# KiCad board AICORS_PCB.kicad_pcb (continued)
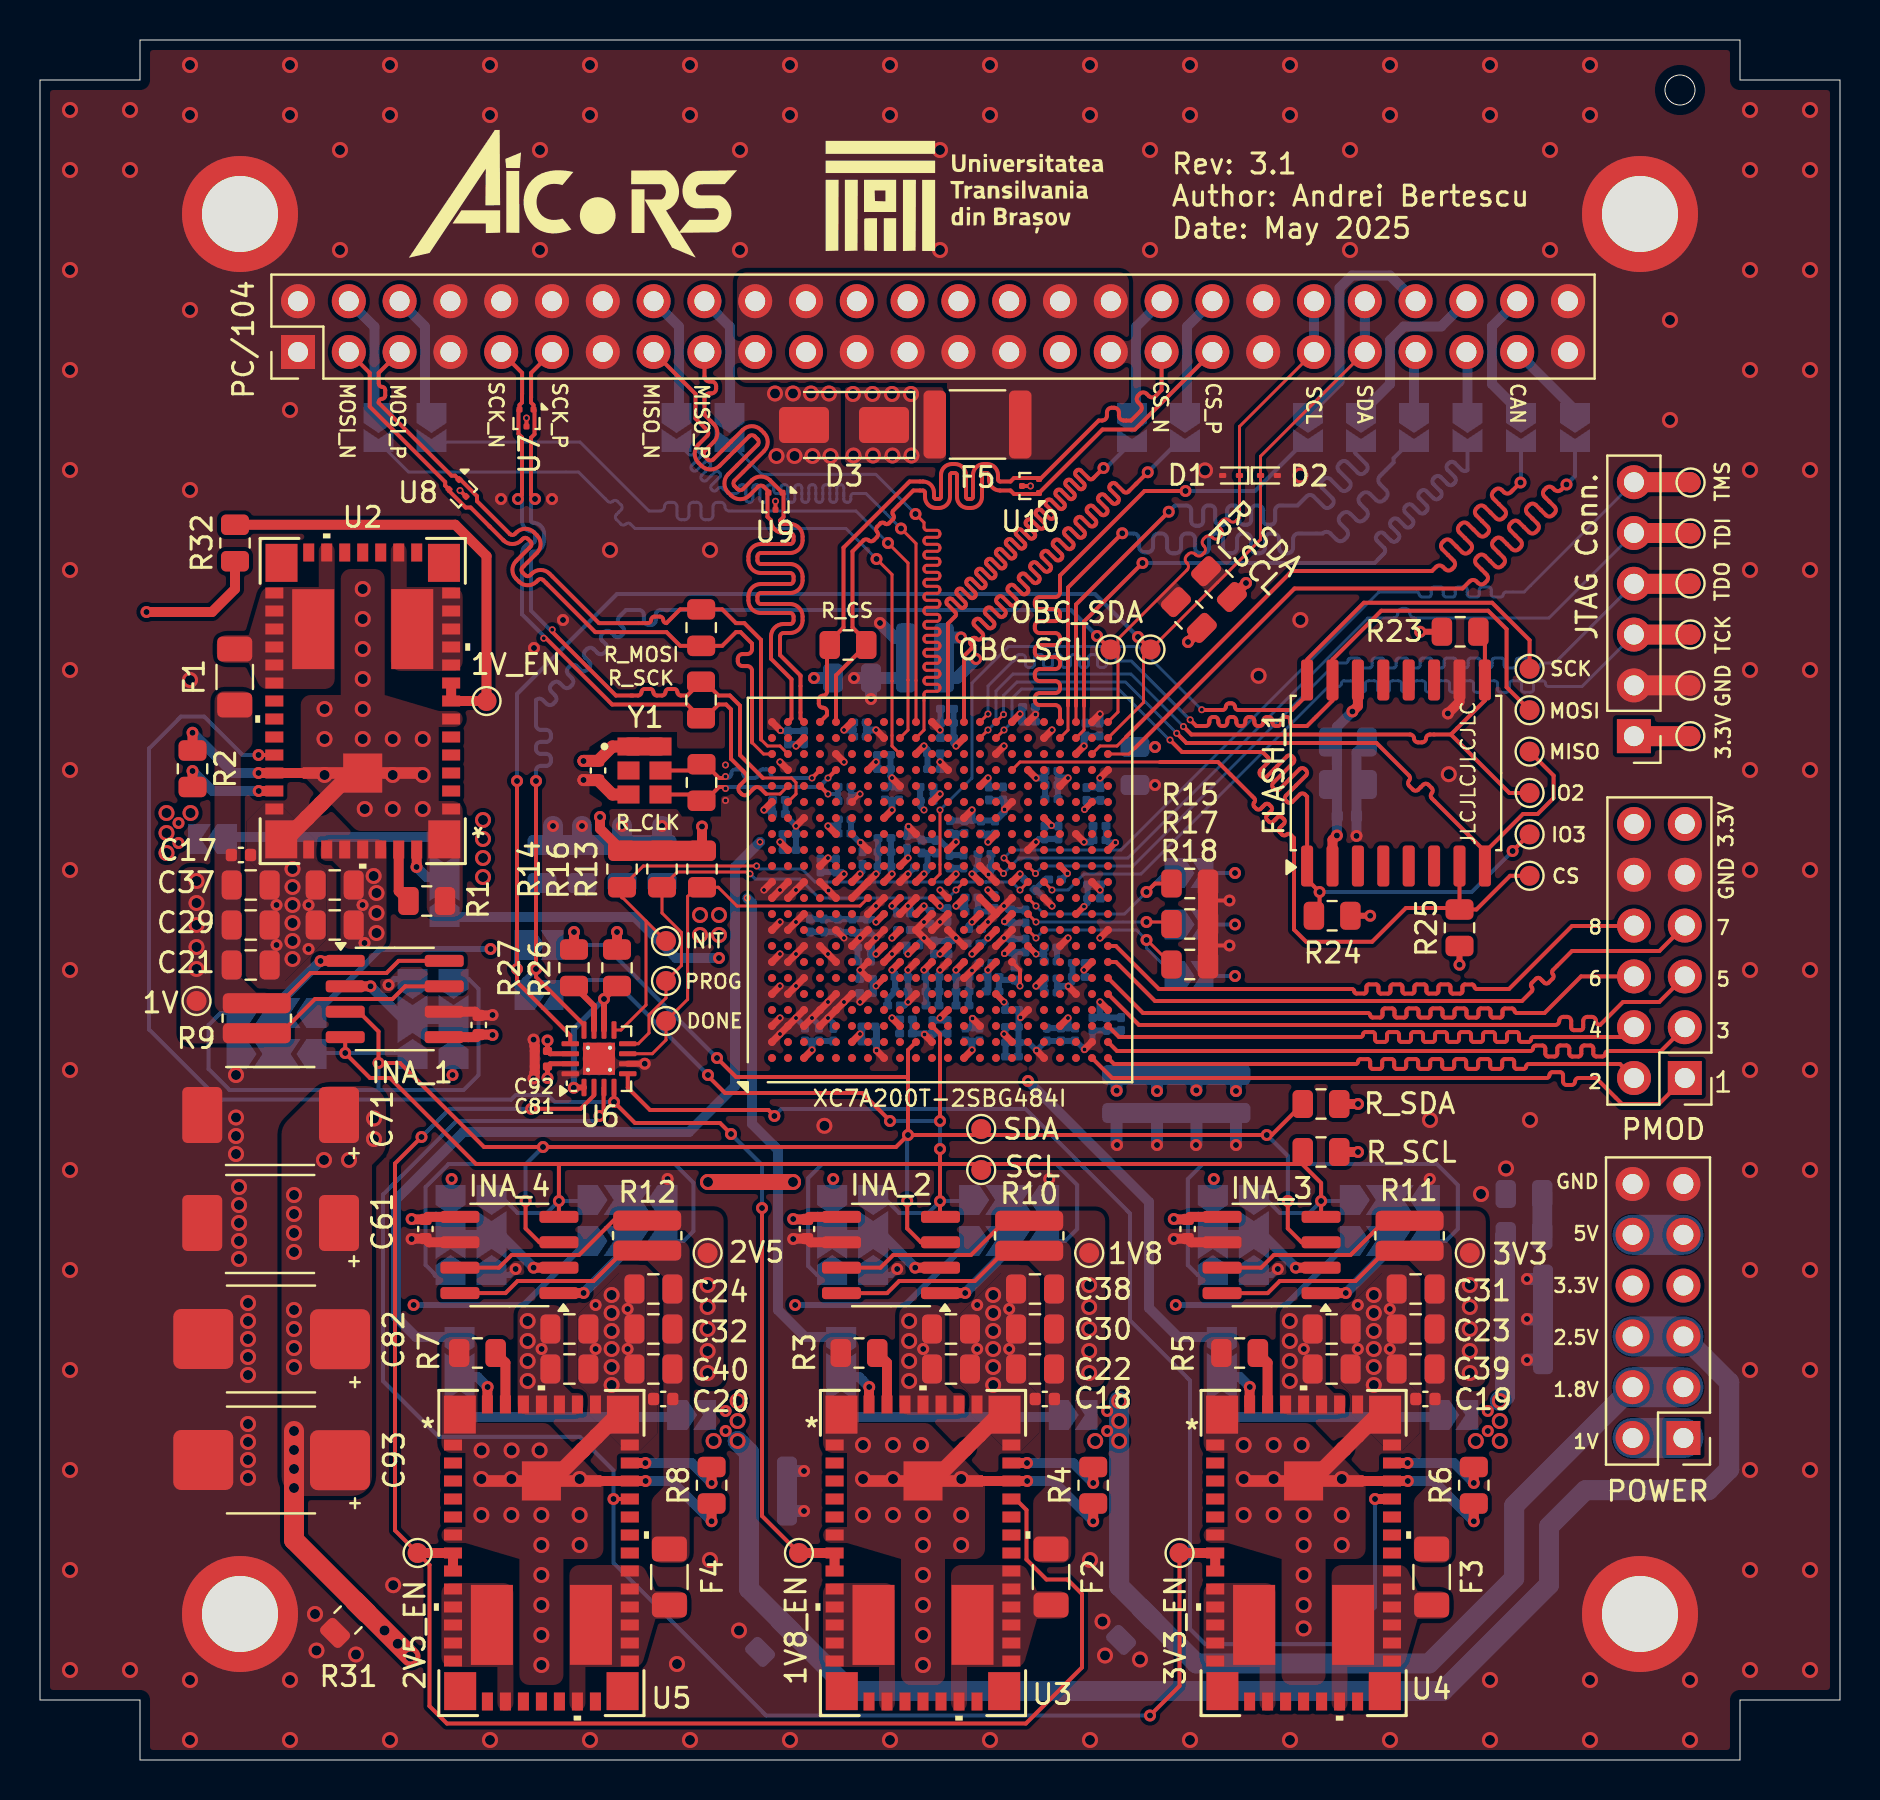
[diagram p0: board, top side]
## Library data of the parts
A0_1-A0_4 A1_1-A1_4 = -: Description: Rotary switch 1x4, SP4T with mount point; LCSC Part #: -
C1-C8 C21-C44 C49 C53 C62-C67 C72-C77 C163 C173 C183 C193 = -: Description: GRM21BR61A476ME15L; LCSC Part #: C124129; ki_fp_filters: C_*
C9-C16 C50 = -: Description: GRM21BR61A226ME51L; LCSC Part #: C77074; ki_fp_filters: C_*
C17-C20 C45-C48 C51 C52 = -: Description: GRM155R71C104KA88D; LCSC Part #: C71629; ki_fp_filters: C_*
C54 C55 C70 C80 C91 C102 C110 C112 C120 C122 C130 C132 C141 C142 C145-C152 C155-C162 C165-C172 C175-C182 C185-C192 C195-C202 = -: Description: GRM033R60J474ME90D; LCSC Part #: C88915; ki_fp_filters: C_*
C56 C58 C60 C68 C69 C78 C79 C81 C83-C90 C92 C94-C101 C103-C109 C111 C113-C119 C121 C123-C129 C131 C133-C140 C143 C144 C153 C154 C164 C174 C184 C194 = -: Description: GRM033R60J475ME05D; LCSC Part #: C3863497; ki_fp_filters: C_*
C61 C71 = -: Description: 20TQC100MYF; LCSC Part #: C139578; ki_fp_filters: CP_*
C82 C93 = -: Description: 6TPE680MI; LCSC Part #: C79115; ki_fp_filters: CP_*
D1 D2 = -: Datasheet: https://www.onsemi.com/pub/Collateral/ESD9B-D.PDF; Description: ESD protection diode, 3.3Vrwm, SOD-923; LCSC Part #: C96512; ki_fp_filters: D*SOD?923*
D3 = -: Datasheet: https://www.littelfuse.com/media?resourcetype=datasheets&itemid=75e32973-b177-4ee3-a0ff-cedaf1abdb93&filename=smaj-datasheet; Description: 400W unidirectional Transient Voltage Suppressor, 5.0Vr, SMA(DO-214AC); LCSC Part #: C83329; ki_fp_filters: D*SMA*
F1-F4 = -: Description: 0466003.NRHF; LCSC Part #: C14165; ki_fp_filters: *Fuse*
F5 = -: Description: Resettable fuse, polymeric PTC; LCSC Part #: C210837; ki_fp_filters: *polyfuse* *PTC*
FLASH_1 = -: Description: Flash memory; LCSC Part #: C269283
H1-H4 = -: Description: Mounting Hole with connection; LCSC Part #: -; ki_fp_filters: MountingHole*Pad*
INA_1-INA_4 = -: Datasheet: http://www.ti.com/lit/ds/symlink/ina219.pdf; Description: Zero-Drift, HighAccuracy, Bidirectional Current/Power Monitor (0-26V) With I2C Interface, SOIC-8; LCSC Part #: C2155799; ki_fp_filters: SOIC*3.9x4.9mm*P1.27mm*
J1 = -: Description: PC/104; LCSC Part #: C7466599; ki_fp_filters: Connector*:*_2x??_*
J2 = -: Description: JTAG Conn.; LCSC Part #: C3328125; ki_fp_filters: Connector*:*_1x??_*
J3 = -: Description: PMOD; LCSC Part #: -; ki_fp_filters: Connector*:*_2x??_*
J4 = -: Description: POWER; LCSC Part #: -; ki_fp_filters: Connector*:*_2x??_*
JP1-JP4 = -: Description: Solder Jumper, 3-pole, open; LCSC Part #: -; ki_fp_filters: SolderJumper*Open*
JP5-JP25 = -: Description: Solder Jumper, 2-pole, open; LCSC Part #: -; ki_fp_filters: SolderJumper*Open*
NT1-NT8 = -: Description: Net tie, 2 pins; LCSC Part #: -; ki_fp_filters: Net*Tie*
R1 = -: Description: CR0805-FX-5761ELF; LCSC Part #: C204215; ki_fp_filters: R_*
R2 = -: LCSC Part #: -; ki_fp_filters: R_*
R3 = -: Description: RC0805FR-071K13L; LCSC Part #: C273876; ki_fp_filters: R_*
R4 R8 R29 R30 = -: Description: RT0805BRD07324KL; LCSC Part #: C865403; ki_fp_filters: R_*
R5 R13 = -: Description: RC0805FR-07453RL; LCSC Part #: C483161; ki_fp_filters: R_*
R6 = -: Description: CR0805-FX-1583ELF; LCSC Part #: C203773; ki_fp_filters: R_*
R7 = -: Description: RC0805FR-07665RL; LCSC Part #: C273828; ki_fp_filters: R_*
R9-R12 = -: Description: Resistor; LCSC Part #: C21261106; ki_fp_filters: R_*
R14 R16 R23-R25 = -: Description: RC0805FR-074K7L; LCSC Part #: C60816; ki_fp_filters: R_*
R15 R17 R18 R26 R27 = -: Description: RC0805FR-071KL; LCSC Part #: C95781; ki_fp_filters: R_*
R19 R20 = -: Description: RC0805FR-073K3L; LCSC Part #: C114531; PCB_Description: R_SDA; ki_fp_filters: R_*
R21 R22 = -: Description: RC0805FR-073K3L; LCSC Part #: C114531; PCB_Description: R_SCL; ki_fp_filters: R_*
R28 R31 R33 = -: Description: RC0805FR-0710KL; LCSC Part #: C84376; ki_fp_filters: R_*
R32 = -: Description: RC0805FR-073K3L; LCSC Part #: C114531; ki_fp_filters: R_*
R34 = -: Description: RC0805FR-07100RL; LCSC Part #: C105577; PCB_Description: R_SCK; ki_fp_filters: R_*
R35 = -: Description: RC0805FR-07100RL; LCSC Part #: C105577; PCB_Description: R_CLK; ki_fp_filters: R_*
R36 = -: Description: RC0805FR-07100RL; LCSC Part #: C105577; PCB_Description: R_MOSI; ki_fp_filters: R_*
R37 = -: Description: RC0805FR-07100RL; LCSC Part #: C105577; PCB_Description: R_CS; ki_fp_filters: R_*
TP1-TP27 = -: Description: test point; LCSC Part #: -; ki_fp_filters: Pin* Test*
U1 = -: Description: Artix 7 T 200 XC7A200T-SBG484; LCSC Part #: C1521826
U2-U5 = -: Description: DC/DC converter; LCSC Part #: C181319; ki_fp_filters: RUQ_47
U6 = -: Datasheet: 8-Bit I2C and SMBus I/O Expander; Description: I2C I/O expander; LCSC Part #: C181499
U7-U10 = -: Datasheet: http://www.ti.com/lit/ds/symlink/tpd2eusb30a.pdf; Description: 2-Channel ESD Protection for Super-Speed USB 3.0 Interface, DRT-3; LCSC Part #: C94934; ki_fp_filters: Texas*DRT*
Y1 = -: Description: 100MHz clock; PARTREV: 02-08-22; STANDARD: Manufacturer Recommendations; MAXIMUM_PACKAGE_HEIGHT: 1.10mm; MANUFACTURER: Abracon; LCSC Part #: C2002827

## Footprints (pads in the part's own frame, mm; a bottom-side part is the same pattern mirrored in y, then rotated)
4_Way_SolderJumper
  custom 1.5x1.5 smd: 1(-2,1.05) 2(2,1.05) 3(-2,-1) 4(2,-1)
  custom 2.4x1.5 smd: 5(0,-1) 5(0,1.05)
52-PinHeader_SlimDensity
  rect 1.7x1.7 hole 1: 1(0,0)
  oval 1.7x1.7 hole 1: 2(2.54,0) 3(0,-2.54) 4(2.54,-2.54) 5(0,-5.08) 6(2.54,-5.08) 7(0,-7.62) 8(2.54,-7.62) 9(0,-10.16) 10(2.54,-10.16) 11(0,-12.7) 12(2.54,-12.7) 13(0,-15.24) 14(2.54,-15.24) 15(0,-17.78) 16(2.54,-17.78) 17(0,-20.32) 18(2.54,-20.32) 19(0,-22.86) 20(2.54,-22.86) 21(0,-25.4) 22(2.54,-25.4) 23(0,-27.94) 24(2.54,-27.94) 25(0,-30.48) 26(2.54,-30.48) 27(0,-33.02) 28(2.54,-33.02) 29(0,-35.56) 30(2.54,-35.56) 31(0,-38.1) 32(2.54,-38.1) 33(0,-40.64) 34(2.54,-40.64) 35(0,-43.18) 36(2.54,-43.18) 37(0,-45.72) 38(2.54,-45.72) 39(0,-48.26) 40(2.54,-48.26) 41(0,-50.8) 42(2.54,-50.8) 43(0,-53.34) 44(2.54,-53.34) 45(0,-55.88) 46(2.54,-55.88) 47(0,-58.42) 48(2.54,-58.42) 49(0,-60.96) 50(2.54,-60.96) 51(0,-63.5) 52(2.54,-63.5)
C_0201_0603Metric
  rrect 0.318x0.36 smd: (-0.345,0) (0.345,0)
  rrect 0.46x0.4 smd: 1(-0.32,0) 2(0.32,0)
C_0402_1005Metric
  rrect 0.56x0.62 smd: 1(-0.48,0) 2(0.48,0)
C_0805_2012Metric
  rrect 1x1.45 smd: 1(-0.95,0) 2(0.95,0)
D_SMA
  rrect 2.5x1.8 smd: 1(-2,0) 2(2,0)
D_SOD-923
  rrect 0.36x0.25 smd: 1(-0.42,0) 2(0.42,0)
Fuse_1206_3216Metric
  rrect 1.25x1.75 smd: 1(-1.4,0) 2(1.4,0)
Fuse_1812_4532Metric
  rrect 1.125x3.4 smd: 1(-2.138,0) 2(2.138,0)
MountingHole_3.8mm_1mmPad
  round 5.8 hole 3.8: 1(0,0)
Net_tie_1mm
  round 0.8 smd: 1(-0.5,0) 2(0.5,0)
NetTie-2_SMD_Pad0.5mm
  round 0.5 smd: 1(-0.5,0) 2(0.5,0)
Panasonic_D2 Tantalum Capacitor
  rrect 2x2.8 smd: 1(-3.45,-0.05) 2(3.388,-0.05)
Panasonic_D4 Tantalum Capacitor
  rrect 3x3 smd: 1(-3.5,0.01) 2(3.337,0)
PinHeader_1x06_P2.54mm_Vertical
  rect 1.7x1.7 hole 1: 1(0,0)
  oval 1.7x1.7 hole 1: 2(0,-2.54) 3(0,-5.08) 4(0,-7.62) 5(0,-10.16) 6(0,-12.7)
PinHeader_2x06_P2.54mm_Vertical
  rect 1.7x1.7 hole 1: 1(0,0)
  oval 1.7x1.7 hole 1: 2(2.54,0) 3(0,-2.54) 4(2.54,-2.54) 5(0,-5.08) 6(2.54,-5.08) 7(0,-7.62) 8(2.54,-7.62) 9(0,-10.16) 10(2.54,-10.16) 11(0,-12.7) 12(2.54,-12.7)
R_0612_1632Metric
  rrect 1x3.4 smd: 1(-0.75,0) 2(0.75,0)
R_0805_2012Metric
  rrect 1.025x1.4 smd: 1(-0.912,0) 2(0.912,0)
SOIC-8_3.9x4.9mm_P1.27mm
  rrect 1.95x0.6 smd: 1(-2.475,1.905) 2(-2.475,0.635) 3(-2.475,-0.635) 4(-2.475,-1.905) 5(2.475,-1.905) 6(2.475,-0.635) 7(2.475,0.635) 8(2.475,1.905)
SOIC-16W_7.5x10.3mm_P1.27mm
  rrect 2.05x0.6 smd: 1(-4.65,4.445) 2(-4.65,3.175) 3(-4.65,1.905) 4(-4.65,0.635) 5(-4.65,-0.635) 6(-4.65,-1.905) 7(-4.65,-3.175) 8(-4.65,-4.445) 9(4.65,-4.445) 10(4.65,-3.175) 11(4.65,-1.905) 12(4.65,-0.635) 13(4.65,0.635) 14(4.65,1.905) 15(4.65,3.175) 16(4.65,4.445)
SolderJumper-2_P1.3mm_Open_TrianglePad1.0x1.5mm
  custom 1.5x1.5 smd: 1(-0.725,0)
  custom 1.15x1.5 smd: 2(0.725,0)
SolderJumper-3_P2.0mm_Open_TrianglePad1.0x1.5mm_NumberLabels
  custom 1.5x1.5 smd: 1(-2,0) 3(2,0)
  custom 2.4x1.5 smd: 2(0,0)
TestPoint_Pad_D1.0mm
  round 1 smd: 1(0,0)
Texas_DRT-3
  rrect 0.3x0.3 smd: 1(-0.35,-0.425) 2(0.35,-0.425) 3(0,0.425)
TPS84320
  rect 1.6x1.9 smd: 1(-4.077,6.92) 15(-4.062,-6.906) 23(4.06,-6.906) 37(4.074,6.92)
  rect 0.9x0.55 smd: 2(-4.42,5.4) 3(-4.42,4.5) 4(-4.42,3.6) 5(-4.42,2.7) 6(-4.42,1.8) 7(-4.42,0.9) 8(-4.42,0) 9(-4.42,-0.9) 10(-4.42,-1.8) 11(-4.42,-2.7) 12(-4.42,-3.6) 13(-4.42,-4.5) 14(-4.42,-5.4) 24(4.42,-5.4) 25(4.42,-4.5) 26(4.42,-3.6) 27(4.42,-2.7) 28(4.42,-1.8) 29(4.42,-0.9) 30(4.42,0) 31(4.42,0.9) 32(4.42,1.8) 33(4.42,2.7) 34(4.42,3.6) 35(4.42,4.5) 36(4.42,5.4)
  rect 0.55x0.9 smd: 16(-2.7,-7.425) 17(-1.8,-7.425) 18(-0.9,-7.425) 19(0,-7.425) 20(0.9,-7.425) 21(1.8,-7.425) 22(2.7,-7.425) 38(2.7,7.425) 39(1.8,7.425) 40(0.9,7.425) 41(0,7.425) 42(-0.9,7.425) 43(-1.8,7.425) 44(-2.7,7.425)
  rect 1.954x1.96 smd: 45(0,3.602)
  rect 6x0.583 smd: 45(0,3.6)
  rect 2.1x4 smd: 46(-2.475,-3.595) 47(2.475,-3.593)
VQFN-16-1EP_3x3mm_P0.5mm_EP1.6x1.6mm_ThermalVias
  rrect 0.69x0.69 smd: (-0.4,0.4) (-0.4,-0.4) (0.4,0.4) (0.4,-0.4)
  rrect 0.875x0.25 smd: 1(-1.438,0.75) 2(-1.438,0.25) 3(-1.438,-0.25) 4(-1.438,-0.75) 9(1.438,-0.75) 10(1.438,-0.25) 11(1.438,0.25) 12(1.438,0.75)
  rrect 0.25x0.875 smd: 5(-0.75,-1.438) 6(-0.25,-1.438) 7(0.25,-1.438) 8(0.75,-1.438) 13(0.75,1.438) 14(0.25,1.438) 15(-0.25,1.438) 16(-0.75,1.438)
  round 0.5 hole 0.2: 17(-0.55,0.55) 17(-0.55,-0.55) 17(0.55,0.55) 17(0.55,-0.55)
  rect 1.6x1.6 smd: 17(0,0)
  rect 1.6x1.6 smd far side: 17(0,0)
Xilinx_SBG484
  round 0.4 smd: A1(-8.4,8.4) A2(-7.6,8.4) A3(-6.8,8.4) A4(-6,8.4) A5(-5.2,8.4) A6(-4.4,8.4) A7(-3.6,8.4) A8(-2.8,8.4) A9(-2,8.4) A10(-1.2,8.4) A11(-0.4,8.4) A12(0.4,8.4) A13(1.2,8.4) A14(2,8.4) A15(2.8,8.4) A16(3.6,8.4) A17(4.4,8.4) A18(5.2,8.4) A19(6,8.4) A20(6.8,8.4) A21(7.6,8.4) A22(8.4,8.4) AA1(-8.4,-7.6) AA2(-7.6,-7.6) AA3(-6.8,-7.6) AA4(-6,-7.6) AA5(-5.2,-7.6) AA6(-4.4,-7.6) AA7(-3.6,-7.6) AA8(-2.8,-7.6) AA9(-2,-7.6) AA10(-1.2,-7.6) AA11(-0.4,-7.6) AA12(0.4,-7.6) AA13(1.2,-7.6) AA14(2,-7.6) AA15(2.8,-7.6) AA16(3.6,-7.6) AA17(4.4,-7.6) AA18(5.2,-7.6) AA19(6,-7.6) AA20(6.8,-7.6) AA21(7.6,-7.6) AA22(8.4,-7.6) AB1(-8.4,-8.4) AB2(-7.6,-8.4) AB3(-6.8,-8.4) AB4(-6,-8.4) AB5(-5.2,-8.4) AB6(-4.4,-8.4) AB7(-3.6,-8.4) AB8(-2.8,-8.4) AB9(-2,-8.4) AB10(-1.2,-8.4) AB11(-0.4,-8.4) AB12(0.4,-8.4) AB13(1.2,-8.4) AB14(2,-8.4) AB15(2.8,-8.4) AB16(3.6,-8.4) AB17(4.4,-8.4) AB18(5.2,-8.4) AB19(6,-8.4) AB20(6.8,-8.4) AB21(7.6,-8.4) AB22(8.4,-8.4) B1(-8.4,7.6) B2(-7.6,7.6) B3(-6.8,7.6) B4(-6,7.6) B5(-5.2,7.6) B6(-4.4,7.6) B7(-3.6,7.6) B8(-2.8,7.6) B9(-2,7.6) B10(-1.2,7.6) B11(-0.4,7.6) B12(0.4,7.6) B13(1.2,7.6) B14(2,7.6) B15(2.8,7.6) B16(3.6,7.6) B17(4.4,7.6) B18(5.2,7.6) B19(6,7.6) B20(6.8,7.6) B21(7.6,7.6) B22(8.4,7.6) C1(-8.4,6.8) C2(-7.6,6.8) C3(-6.8,6.8) C4(-6,6.8) C5(-5.2,6.8) C6(-4.4,6.8) C7(-3.6,6.8) C8(-2.8,6.8) C9(-2,6.8) C10(-1.2,6.8) C11(-0.4,6.8) C12(0.4,6.8) C13(1.2,6.8) C14(2,6.8) C15(2.8,6.8) C16(3.6,6.8) C17(4.4,6.8) C18(5.2,6.8) C19(6,6.8) C20(6.8,6.8) C21(7.6,6.8) C22(8.4,6.8) D1(-8.4,6) D2(-7.6,6) D3(-6.8,6) D4(-6,6) D5(-5.2,6) D6(-4.4,6) D7(-3.6,6) D8(-2.8,6) D9(-2,6) D10(-1.2,6) D11(-0.4,6) D12(0.4,6) D13(1.2,6) D14(2,6) D15(2.8,6) D16(3.6,6) D17(4.4,6) D18(5.2,6) D19(6,6) D20(6.8,6) D21(7.6,6) D22(8.4,6) E1(-8.4,5.2) E2(-7.6,5.2) E3(-6.8,5.2) E4(-6,5.2) E5(-5.2,5.2) E6(-4.4,5.2) E7(-3.6,5.2) E8(-2.8,5.2) E9(-2,5.2) E10(-1.2,5.2) E11(-0.4,5.2) E12(0.4,5.2) E13(1.2,5.2) E14(2,5.2) E15(2.8,5.2) E16(3.6,5.2) E17(4.4,5.2) E18(5.2,5.2) E19(6,5.2) E20(6.8,5.2) E21(7.6,5.2) E22(8.4,5.2) F1(-8.4,4.4) F2(-7.6,4.4) F3(-6.8,4.4) F4(-6,4.4) F5(-5.2,4.4) F6(-4.4,4.4) F7(-3.6,4.4) F8(-2.8,4.4) F9(-2,4.4) F10(-1.2,4.4) F11(-0.4,4.4) F12(0.4,4.4) F13(1.2,4.4) F14(2,4.4) F15(2.8,4.4) F16(3.6,4.4) F17(4.4,4.4) F18(5.2,4.4) F19(6,4.4) F20(6.8,4.4) F21(7.6,4.4) F22(8.4,4.4) G1(-8.4,3.6) G2(-7.6,3.6) G3(-6.8,3.6) G4(-6,3.6) G5(-5.2,3.6) G6(-4.4,3.6) G7(-3.6,3.6) G8(-2.8,3.6) G9(-2,3.6) G10(-1.2,3.6) G11(-0.4,3.6) G12(0.4,3.6) G13(1.2,3.6) G14(2,3.6) G15(2.8,3.6) G16(3.6,3.6) G17(4.4,3.6) G18(5.2,3.6) G19(6,3.6) G20(6.8,3.6) G21(7.6,3.6) G22(8.4,3.6) H1(-8.4,2.8) H2(-7.6,2.8) H3(-6.8,2.8) H4(-6,2.8) H5(-5.2,2.8) H6(-4.4,2.8) H7(-3.6,2.8) H8(-2.8,2.8) H9(-2,2.8) H10(-1.2,2.8) H11(-0.4,2.8) H12(0.4,2.8) H13(1.2,2.8) H14(2,2.8) H15(2.8,2.8) H16(3.6,2.8) H17(4.4,2.8) H18(5.2,2.8) H19(6,2.8) H20(6.8,2.8) H21(7.6,2.8) H22(8.4,2.8) J1(-8.4,2) J2(-7.6,2) J3(-6.8,2) J4(-6,2) J5(-5.2,2) J6(-4.4,2) J7(-3.6,2) J8(-2.8,2) J9(-2,2) J10(-1.2,2) J11(-0.4,2) J12(0.4,2) J13(1.2,2) J14(2,2) J15(2.8,2) J16(3.6,2) J17(4.4,2) J18(5.2,2) J19(6,2) J20(6.8,2) J21(7.6,2) J22(8.4,2) K1(-8.4,1.2) K2(-7.6,1.2) K3(-6.8,1.2) K4(-6,1.2) K5(-5.2,1.2) K6(-4.4,1.2) K7(-3.6,1.2) K8(-2.8,1.2) K9(-2,1.2) K10(-1.2,1.2) K11(-0.4,1.2) K12(0.4,1.2) K13(1.2,1.2) K14(2,1.2) K15(2.8,1.2) K16(3.6,1.2) K17(4.4,1.2) K18(5.2,1.2) K19(6,1.2) K20(6.8,1.2) K21(7.6,1.2) K22(8.4,1.2) L1(-8.4,0.4) L2(-7.6,0.4) L3(-6.8,0.4) L4(-6,0.4) L5(-5.2,0.4) L6(-4.4,0.4) L7(-3.6,0.4) L8(-2.8,0.4) L9(-2,0.4) L10(-1.2,0.4) L11(-0.4,0.4) L12(0.4,0.4) L13(1.2,0.4) L14(2,0.4) L15(2.8,0.4) L16(3.6,0.4) L17(4.4,0.4) L18(5.2,0.4) L19(6,0.4) L20(6.8,0.4) L21(7.6,0.4) L22(8.4,0.4) M1(-8.4,-0.4) M2(-7.6,-0.4) M3(-6.8,-0.4) M4(-6,-0.4) M5(-5.2,-0.4) M6(-4.4,-0.4) M7(-3.6,-0.4) M8(-2.8,-0.4) M9(-2,-0.4) M10(-1.2,-0.4) M11(-0.4,-0.4) M12(0.4,-0.4) M13(1.2,-0.4) M14(2,-0.4) M15(2.8,-0.4) M16(3.6,-0.4) M17(4.4,-0.4) M18(5.2,-0.4) M19(6,-0.4) M20(6.8,-0.4) M21(7.6,-0.4) M22(8.4,-0.4) N1(-8.4,-1.2) N2(-7.6,-1.2) N3(-6.8,-1.2) N4(-6,-1.2) N5(-5.2,-1.2) N6(-4.4,-1.2) N7(-3.6,-1.2) N8(-2.8,-1.2) N9(-2,-1.2) N10(-1.2,-1.2) N11(-0.4,-1.2) N12(0.4,-1.2) N13(1.2,-1.2) N14(2,-1.2) N15(2.8,-1.2) N16(3.6,-1.2) N17(4.4,-1.2) N18(5.2,-1.2) N19(6,-1.2) N20(6.8,-1.2) N21(7.6,-1.2) N22(8.4,-1.2) P1(-8.4,-2) P2(-7.6,-2) P3(-6.8,-2) P4(-6,-2) P5(-5.2,-2) P6(-4.4,-2) P7(-3.6,-2) P8(-2.8,-2) P9(-2,-2) P10(-1.2,-2) P11(-0.4,-2) P12(0.4,-2) P13(1.2,-2) P14(2,-2) P15(2.8,-2) P16(3.6,-2) P17(4.4,-2) P18(5.2,-2) P19(6,-2) P20(6.8,-2) P21(7.6,-2) P22(8.4,-2) R1(-8.4,-2.8) R2(-7.6,-2.8) R3(-6.8,-2.8) R4(-6,-2.8) R5(-5.2,-2.8) R6(-4.4,-2.8) R7(-3.6,-2.8) R8(-2.8,-2.8) R9(-2,-2.8) R10(-1.2,-2.8) R11(-0.4,-2.8) R12(0.4,-2.8) R13(1.2,-2.8) R14(2,-2.8) R15(2.8,-2.8) R16(3.6,-2.8) R17(4.4,-2.8) R18(5.2,-2.8) R19(6,-2.8) R20(6.8,-2.8) R21(7.6,-2.8) R22(8.4,-2.8) T1(-8.4,-3.6) T2(-7.6,-3.6) T3(-6.8,-3.6) T4(-6,-3.6) T5(-5.2,-3.6) T6(-4.4,-3.6) T7(-3.6,-3.6) T8(-2.8,-3.6) T9(-2,-3.6) T10(-1.2,-3.6) T11(-0.4,-3.6) T12(0.4,-3.6) T13(1.2,-3.6) T14(2,-3.6) T15(2.8,-3.6) T16(3.6,-3.6) T17(4.4,-3.6) T18(5.2,-3.6) T19(6,-3.6) T20(6.8,-3.6) T21(7.6,-3.6) T22(8.4,-3.6) U1(-8.4,-4.4) U2(-7.6,-4.4) U3(-6.8,-4.4) U4(-6,-4.4) U5(-5.2,-4.4) U6(-4.4,-4.4) U7(-3.6,-4.4) U8(-2.8,-4.4) U9(-2,-4.4) U10(-1.2,-4.4) U11(-0.4,-4.4) U12(0.4,-4.4) U13(1.2,-4.4) U14(2,-4.4) U15(2.8,-4.4) U16(3.6,-4.4) U17(4.4,-4.4) U18(5.2,-4.4) U19(6,-4.4) U20(6.8,-4.4) U21(7.6,-4.4) U22(8.4,-4.4) V1(-8.4,-5.2) V2(-7.6,-5.2) V3(-6.8,-5.2) V4(-6,-5.2) V5(-5.2,-5.2) V6(-4.4,-5.2) V7(-3.6,-5.2) V8(-2.8,-5.2) V9(-2,-5.2) V10(-1.2,-5.2) V11(-0.4,-5.2) V12(0.4,-5.2) V13(1.2,-5.2) V14(2,-5.2) V15(2.8,-5.2) V16(3.6,-5.2) V17(4.4,-5.2) V18(5.2,-5.2) V19(6,-5.2) V20(6.8,-5.2) V21(7.6,-5.2) V22(8.4,-5.2) W1(-8.4,-6) W2(-7.6,-6) W3(-6.8,-6) W4(-6,-6) W5(-5.2,-6) W6(-4.4,-6) W7(-3.6,-6) W8(-2.8,-6) W9(-2,-6) W10(-1.2,-6) W11(-0.4,-6) W12(0.4,-6) W13(1.2,-6) W14(2,-6) W15(2.8,-6) W16(3.6,-6) W17(4.4,-6) W18(5.2,-6) W19(6,-6) W20(6.8,-6) W21(7.6,-6) W22(8.4,-6) Y1(-8.4,-6.8) Y2(-7.6,-6.8) Y3(-6.8,-6.8) Y4(-6,-6.8) Y5(-5.2,-6.8) Y6(-4.4,-6.8) Y7(-3.6,-6.8) Y8(-2.8,-6.8) Y9(-2,-6.8) Y10(-1.2,-6.8) Y11(-0.4,-6.8) Y12(0.4,-6.8) Y13(1.2,-6.8) Y14(2,-6.8) Y15(2.8,-6.8) Y16(3.6,-6.8) Y17(4.4,-6.8) Y18(5.2,-6.8) Y19(6,-6.8) Y20(6.8,-6.8) Y21(7.6,-6.8) Y22(8.4,-6.8)
XTAL_AX3DAF1-100.0000T
  rect 1.1x0.9 smd: 1(-0.8,1.2) 2(-0.8,0) 3(-0.8,-1.2) 4(0.8,-1.2) 5(0.8,0) 6(0.8,1.2)
